# KiCad board ImogenWren.kicad_pcb
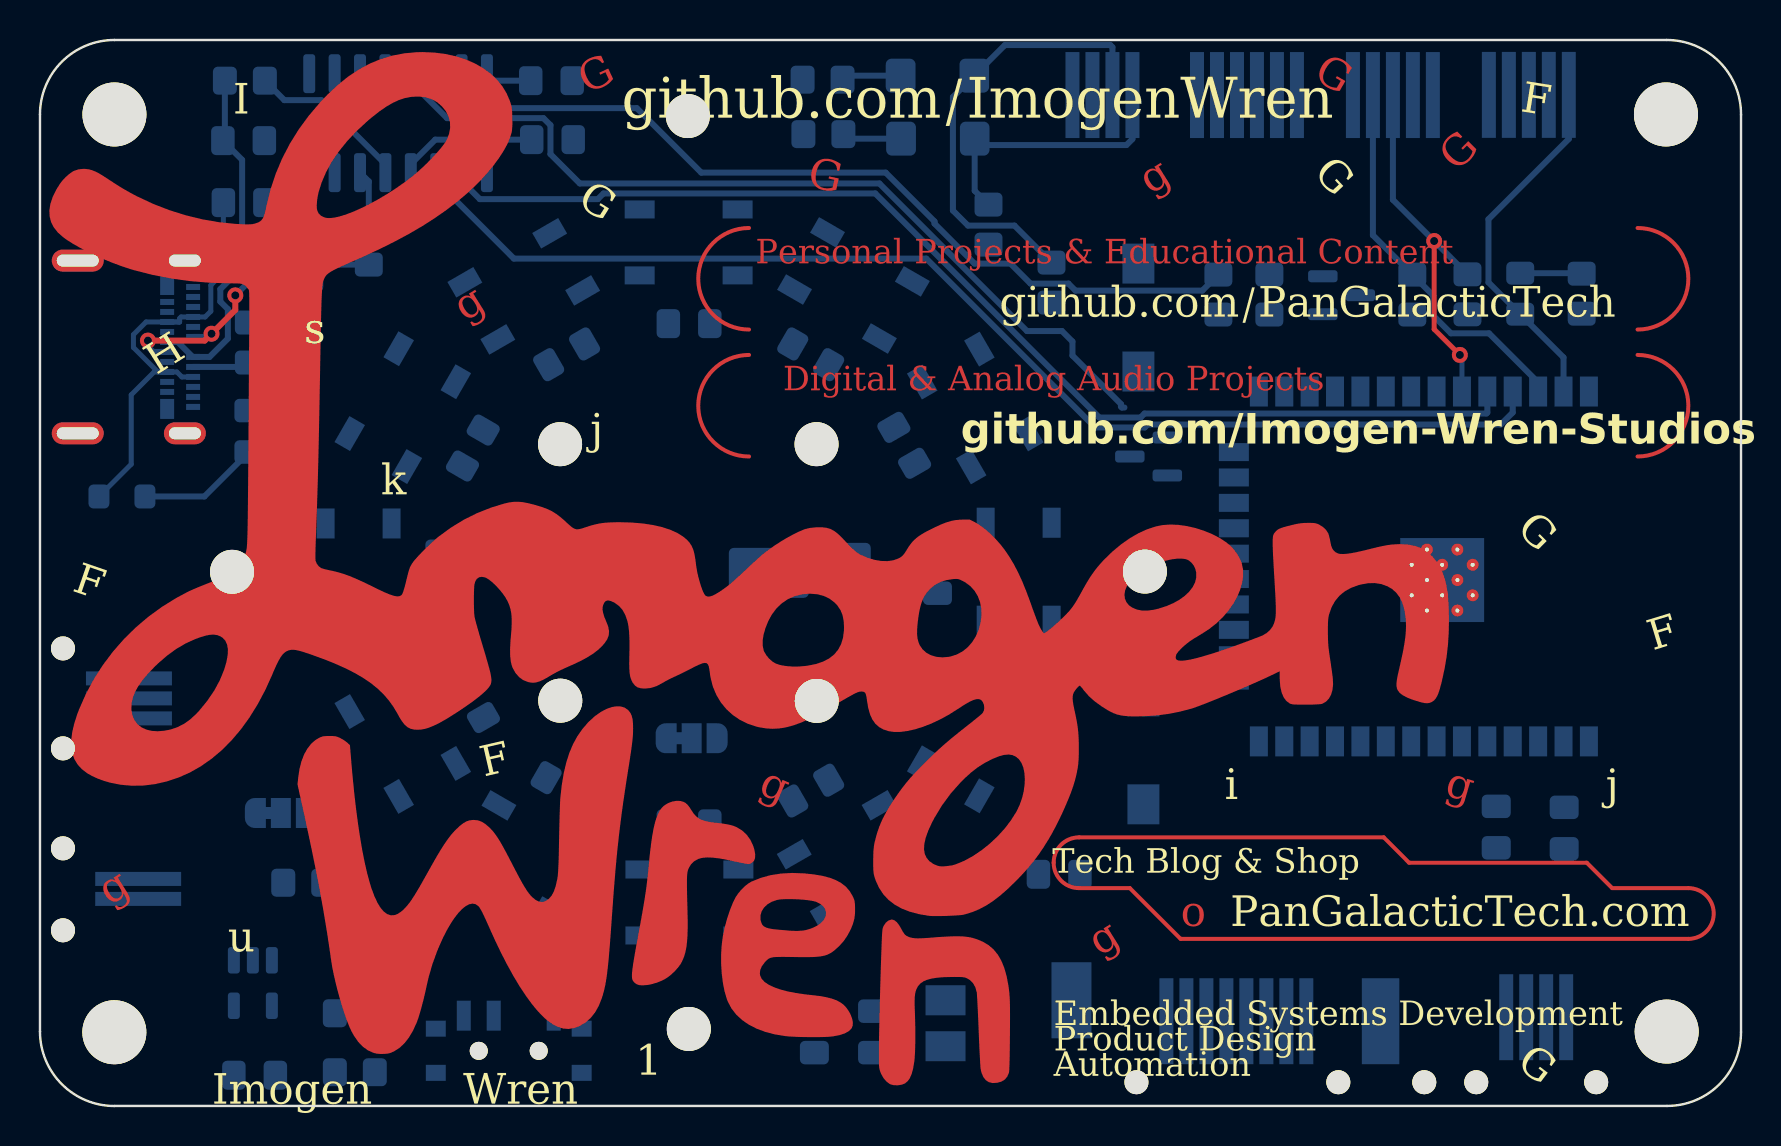
[diagram p0: board, top side]
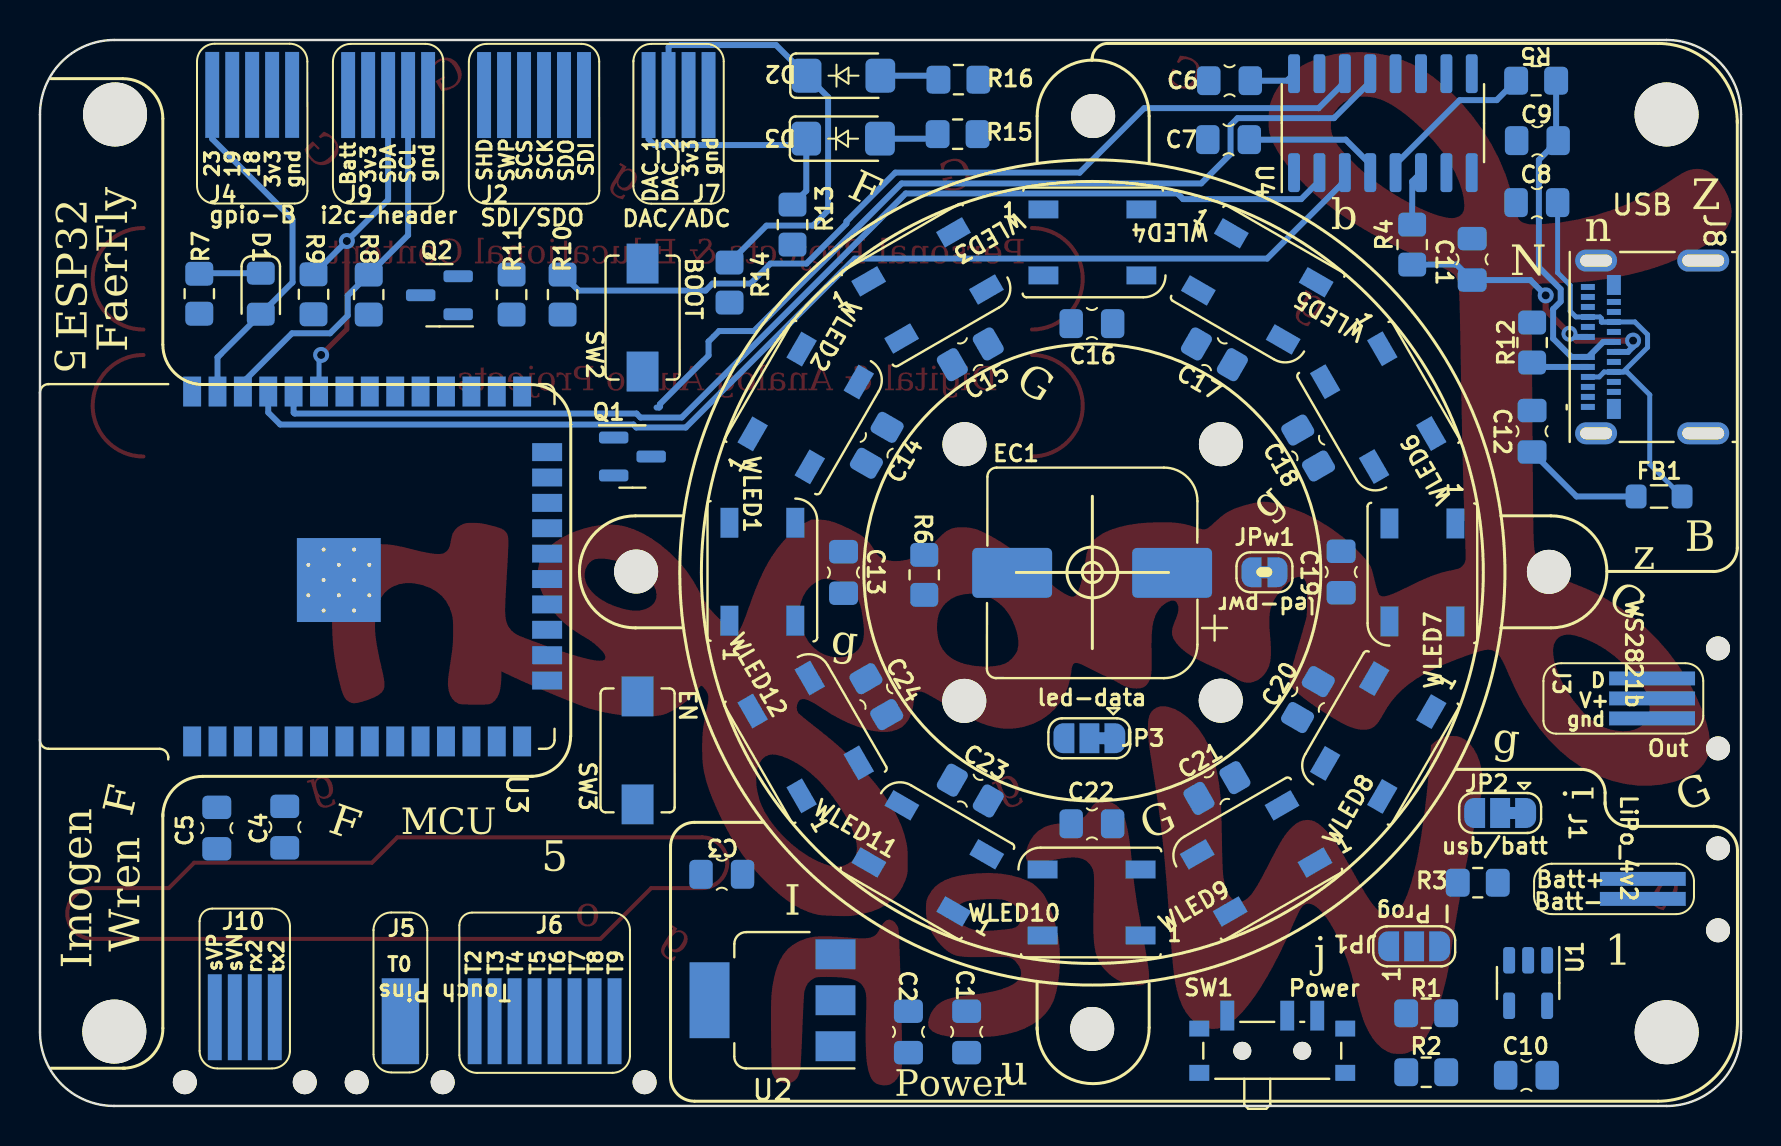
[diagram p1: board, bottom side, seen from below]

Outline 85.09 x 53.32 mm; copper layers: Top, Bottom. Coordinates in mm from the lower left corner of the outline.
Stack: Top 0.035mm / dielectric 1.51mm FR4 er 4.5 / Bottom 0.035mm

## Placement (name value [footprint] x y rotation side)
C1  100n  [C_0805_2012_HandSolder_kawaii]  38.74 3.71 270 bottom
C2  100n  [C_0805_2012_HandSolder_kawaii]  41.65 3.71 270 bottom
C3  100n  [C_0805_2012_HandSolder_kawaii]  50.99 11.59 180 bottom
C4  100n  [C_0805_2012_HandSolder_kawaii]  72.85 13.95 270 bottom
C5  100n  [C_0805_2012_HandSolder_kawaii]  76.25 13.9 270 bottom
C6  100n  [C_0805_2012_HandSolder_kawaii]  25.59 51.29 0 bottom
C7  100n  [C_0805_2012_HandSolder_kawaii]  25.64 48.34 0 bottom
C8  10n  [C_0805_2012_HandSolder_kawaii]  10.21 45.19 0 bottom
C9  47p  [C_0805_2012_HandSolder_kawaii]  10.19 48.29 0 bottom
C10  100n  [C_0805_2012_HandSolder_kawaii]  10.74 1.54 0 bottom
C11  47p  [C_0805_2012_HandSolder_kawaii]  13.45 42.35 90 bottom
C12  4n7  [C_0805_2012_HandSolder_kawaii]  10.45 33.75 90 bottom
C13  100n  [C_0805_2012_HandSolder_kawaii]  44.9 26.69 90 bottom
C14  100n  [C_0805_2012_HandSolder_kawaii]  43.23 33.05 120 bottom
C15  100n  [C_0805_2012_HandSolder_kawaii]  38.56 37.6 150 bottom
C16  100n  [C_0805_2012_HandSolder_kawaii]  32.47 39.14 180 bottom
C17  100n  [C_0805_2012_HandSolder_kawaii]  26.34 37.6 210 bottom
C18  100n  [C_0805_2012_HandSolder_kawaii]  21.66 32.91 240 bottom
C19  100n  [C_0805_2012_HandSolder_kawaii]  20 26.71 270 bottom
C20  100n  [C_0805_2012_HandSolder_kawaii]  21.67 20.33 300 bottom
C21  100n  [C_0805_2012_HandSolder_kawaii]  26.22 15.91 330 bottom
C22  100n  [C_0805_2012_HandSolder_kawaii]  32.47 14.12 0 bottom
C23  100n  [C_0805_2012_HandSolder_kawaii]  38.56 15.78 30 bottom
C24  100n  [C_0805_2012_HandSolder_kawaii]  43.26 20.48 60 bottom
D1  Blue  [LED_0805_2012_Kawaii]  74.05 40.63 270 bottom
D2  BZV55B3V3  [D_MiniMELF_kawaii]  44.9 51.54 180 bottom
D3  BZV55B3V3  [D_MiniMELF_kawaii]  44.92 48.39 180 bottom
EC1  1000u  [CP_Elec_10x10_kawaii]  32.46 26.67 0 bottom
FB1  FerriteBead  [L_0805_2012Metric_Pad1.05x1.20mm_HandSolder]  4.1 30.49 0 bottom
G***  LOGO  [8-bit-heart-2]  126.43 72.16 0 top
G***#2  LOGO  [cat-one-cu]  -37.92 38.35 0 top
G***#3  LOGO  [ImogenWren70_Cu]  35.47 26.14 0 top
J1  LiPo_4v2  [2-pin-edge]  4.37 11.38 90 bottom
J2  SDI/SDO  [6-pin-edge-touch]  59.87 50.04 0 bottom
J3  WS2821b  [3-pin-edge]  5.92 20.24 90 bottom
J4  gpio-B  [5-pin-edge-touch]  75.4 50.13 0 bottom
J5  touch0  [1-pin-edge-touch-xl]  67.65 4.24 180 bottom
J6  Touch Pins  [8-pin-edge-touch]  63.35 4.24 180 bottom
J7  DAC/ADC  [4-pin-edge]  53.65 49.89 0 bottom
J8  USB_C_Receptacle  [USB_C_Receptacle_Molex_105450-0101]  4.45 37.97 90 bottom
J9  i2c-header  [5-pin-edge-touch]  68.6 50.12 0 bottom
J10  ESPpin1-4  [4-pin-edge]  74.35 5.12 180 bottom
JP1  I Prog  [SolderJumper-3_P1.3mm_Open_RoundedPad1.0x1.5mm_NumberLabels]  16.35 7.99 180 bottom
JP2  usb/batt  [SolderJumper-3_P1.3mm_Bridged12_RoundedPad1.0x1.5mm]  12.05 14.66 0 bottom
JP3  led-data  [SolderJumper-3_P1.3mm_Bridged12_RoundedPad1.0x1.5mm]  32.6 18.4 0 bottom
JPw1  led-pwr  [SolderJumper-2_P1.3mm_Bridged_RoundedPad1.0x1.5mm]  23.84 26.7 180 bottom
Q1  BC817  [SOT-23]  55.46 32.49 180 bottom
Q2  BC817  [SOT-23]  65.11 40.56 0 bottom
R1  10k  [R_0805_2012Metric_Pad1.20x1.40mm_HandSolder]  15.75 4.64 0 bottom
R2  10k  [R_0805_2012Metric_Pad1.20x1.40mm_HandSolder]  15.75 1.69 0 bottom
R3  4k7  [R_0805_2012Metric_Pad1.20x1.40mm_HandSolder]  13.17 11.17 0 bottom
R4  27r  [R_0805_2012Metric_Pad1.20x1.40mm_HandSolder]  16.45 43.09 270 bottom
R5  27r  [R_0805_2012Metric_Pad1.20x1.40mm_HandSolder]  10.25 51.29 180 bottom
R6  470r  [R_0805_2012Metric_Pad1.20x1.40mm_HandSolder]  40.86 26.57 90 bottom
R7  330r  [R_0805_2012Metric_Pad1.20x1.40mm_HandSolder]  77.13 40.63 270 bottom
R8  10k  [R_0805_2012Metric_Pad1.20x1.40mm_HandSolder]  68.65 40.59 90 bottom
R9  10k  [R_0805_2012Metric_Pad1.20x1.40mm_HandSolder]  71.41 40.6 90 bottom
R10  10k  [R_0805_2012Metric_Pad1.20x1.40mm_HandSolder]  58.95 40.59 270 bottom
R11  10k  [R_0805_2012Metric_Pad1.20x1.40mm_HandSolder]  61.5 40.59 270 bottom
R12  5k2  [R_0805_2012Metric_Pad1.20x1.40mm_HandSolder]  10.45 38.19 270 bottom
R13  220r  [R_0805_2012Metric_Pad1.20x1.40mm_HandSolder]  47.45 44.09 270 bottom
R14  220r  [R_0805_2012Metric_Pad1.20x1.40mm_HandSolder]  50.6 41.19 270 bottom
R15  100r  [R_0805_2012Metric_Pad1.20x1.40mm_HandSolder]  39.19 48.61 0 bottom
R16  100r  [R_0805_2012Metric_Pad1.20x1.40mm_HandSolder]  39.15 51.34 0 bottom
REF**  -  [MountingHole_2.1mm_1]  1.15 12.89 0 top
REF**#2  -  [MountingHole_2.1mm_1]  69.25 1.19 0 top
REF**#3  -  [MountingHole_2.1mm_1]  64.95 1.19 0 top
REF**#4  -  [MountingHole_2.1mm_1]  1.15 17.89 0 top
REF**#5  -  [MountingHole_2.2mm_M2]  55.27 26.74 0 top
REF**#6  -  [MountingHole_2.1mm_1]  77.85 1.19 0 top
REF**#7  -  [MountingHole_2.1mm_1]  1.15 8.79 0 top
REF**#8  -  [cu_heart]  59.6 46.46 0 top
REF**#9  -  [MountingHole_2.2mm_M2]  32.46 3.85 0 top
REF**#10  -  [MountingHole_2.2mm_M2]  9.61 26.72 0 top
REF**#11  -  [MountingHole_2.2mm_M2]  32.41 49.52 0 top
REF**#12  -  [MountingHole_2.1mm_1]  1.15 22.89 0 top
REF**#13  -  [CreditCard_M3]  40.65 27.29 0 top
REF**#14  -  [MountingHole_2.2mm_M2]  38.86 20.27 0 top
REF**#15  -  [MountingHole_2.2mm_M2]  38.85 33.11 0 top
REF**#16  -  [MountingHole_2.2mm_M2]  26.02 33.11 0 top
REF**#17  -  [MountingHole_2.2mm_M2]  26.03 20.28 0 top
REF**#18  -  [MountingHole_2.1mm_1]  54.85 1.19 0 top
REF**#19  -  [MountingHole_2.1mm_1]  71.85 1.19 0 top
SW1  SW_SPDT_small  [SW_SPDT_PCM12]  23.45 3.09 180 bottom
SW2  BOOT  [SW_SPST_EVQPE1]  54.95 39.44 90 bottom
SW3  EN  [SW_SPST_EVQPE1]  55.2 17.79 90 bottom
U1  MCP73831-2-OT  [SOT-23-5]  10.65 6.15 270 bottom
U2  AMS1117-3.3  [SOT-223-3_TabPin2_1]  48.45 5.29 0 bottom
U3  ESP32-WROOM-32  [ESP32-WROOM-32_KAWAII]  69.24 26.99 90 bottom
U4  CH340C  [SOIC-16_3.9x9.9mm_P1.27mm]  17.92 49.16 90 bottom
WLED1  WS2812B  [LED_WS2812B_PLCC4_5.0x5.0mm_P3.2mm]  48.96 26.73 90 bottom
WLED2  WS2812B  [LED_WS2812B_PLCC4_5.0x5.0mm_P3.2mm]  46.79 34.92 120 bottom
WLED3  WS2812B  [LED_WS2812B_PLCC4_5.0x5.0mm_P3.2mm]  40.69 41.05 150 bottom
WLED4  WS2812B  [LED_WS2812B_PLCC4_5.0x5.0mm_P3.2mm]  32.45 43.2 180 bottom
WLED5  WS2812B  [LED_WS2812B_PLCC4_5.0x5.0mm_P3.2mm]  24.2 41 210 bottom
WLED6  WS2812B  [LED_WS2812B_PLCC4_5.0x5.0mm_P3.2mm]  18.15 34.93 240 bottom
WLED7  WS2812B  [LED_WS2812B_PLCC4_5.0x5.0mm_P3.2mm]  15.94 26.69 270 bottom
WLED8  WS2812B  [LED_WS2812B_PLCC4_5.0x5.0mm_P3.2mm]  18.15 18.43 300 bottom
WLED9  WS2812B  [LED_WS2812B_PLCC4_5.0x5.0mm_P3.2mm]  24.26 12.38 330 bottom
WLED10  WS2812B  [LED_WS2812B_PLCC4_5.0x5.0mm_P3.2mm]  32.49 10.18 0 bottom
WLED11  WS2812B  [LED_WS2812B_PLCC4_5.0x5.0mm_P3.2mm]  40.68 12.39 30 bottom
WLED12  WS2812B  [LED_WS2812B_PLCC4_5.0x5.0mm_P3.2mm]  46.79 18.46 60 bottom

## Library data of the parts
C1-C24 = -: Description: Unpolarized capacitor
D1 = -: Description: Light emitting diode
D2 D3 = -: Description: 3.3V, 500mW, 2%, Zener diode, MiniMELF
EC1 = -: Description: Polarized capacitor
FB1 = -: Description: Ferrite bead
J1 = -: Description: PCI Express bus connector x1; PIN1: Batt-; PIN2: Batt+; Field6: PCB Thickness 1.57 mm
J2 = -: Description: PCI Express bus connector x1; PIN1: SDI; PIN2: SDO; PIN3: SCK; PIN4: SCS; PIN5: SWP; PIN6: SHD; Field10: PCB Thickness 1.57 mm
J3 = -: Description: PCI Express bus connector x1; PIN1: gnd; PIN2: V+; PIN3: D; Field7: PCB Thickness 1.57 mm
J4 = -: Description: PCI Express bus connector x1; PIN1: gnd; PIN2: 3v3; PIN3: 18; PIN4: 19; PIN5: 23; Field9: PCB Thickness 1.57 mm
J5 = -: Description: PCI Express bus connector x1; PIN1: T0; Field5: PCB Thickness 1.57 mm
J6 = -: Description: PCI Express bus connector x1; PIN1: T2; PIN2: T3; PIN3: T4; PIN4: T5; PIN5: T6; PIN6: T7; PIN7: T8; PIN8: T9; Field12: PCB Thickness 1.57 mm
J7 = -: Description: PCI Express bus connector x1; PIN1: gnd; PIN2: 3v3; PIN3: DAC_2; PIN4: DAC_1; Field8: PCB Thickness 1.57 mm
J8 = -: Description: USB Full-Featured Type-C Receptacle connector
J9 = -: Description: PCI Express bus connector x1; PIN1: GND; PIN2: SCL; PIN3: SDA; PIN4: 3v3; PIN5: Batt; Field9: PCB Thickness 1.57 mm
J10 = -: Description: PCI Express bus connector x1; PIN1: sVP; PIN2: sVN; PIN3: rx2; PIN4: tx2; Field8: PCB Thickness 1.57 mm
JP1 = -: Description: Solder Jumper, 3-pole, open
JP2 JP3 = -: Description: Jumper, 3-pole, pins 1+2 closed/bridged
JPw1 = -: Description: Jumper, 2-pole, open
Q1 Q2 = -: Description: 0.8A Ic, 45V Vce, NPN Transistor, SOT-23
R1-R16 = -: Description: Resistor
SW1 = -: Description: Switch, single pole double throw; NAME: Power
SW2 SW3 = -: Description: MEC 5E single pole normally-open tactile switch
U1 = -: Description: Single cell, Li-Ion/Li-Po charge management controller, 4.20V, Tri-State Status Output, in SOT23-5 package
U2 = -: Description: 1A Low Dropout regulator, positive, 3.3V fixed output, SOT-223
U3 = -: Description: RF Module, ESP32-D0WDQ6 SoC, Wi-Fi 802.11b/g/n, Bluetooth, BLE, 32-bit, 2.7-3.6V, onboard antenna, SMD
U4 = -: Description: USB serial converter, UART, SOIC-16
WLED1-WLED12 = -: Description: RGB LED with integrated controller

## Footprints (pads in the part's own frame, mm; a bottom-side part is the same pattern mirrored in y, then rotated)
1-pin-edge-touch-xl
  rect 1.874x4.3 smd: A1(0.587,0)
2-pin-edge
  rect 0.7x4.3 smd: A1(-1.02,0.54) A2(-0.02,0.54)
3-pin-edge
  rect 0.7x4.3 smd: A1(-0.85,-1.47) A2(0.15,-1.47) A3(1.15,-1.47)
4-pin-edge
  rect 0.7x4.3 smd: A1(-2,-0.68) A2(-1,-0.68) A3(0,-0.68) A4(1,-0.68)
5-pin-edge-touch
  rect 0.7x4.3 smd: A1(-2.92,-0.45) A2(-1.92,-0.45) A3(-0.92,-0.45) A4(0.08,-0.45) A5(1.08,-0.45)
6-pin-edge-touch
  rect 0.7x4.3 smd: A1(-1.988,-0.53) A2(-0.988,-0.53) A3(0.012,-0.53) A4(1.012,-0.53) A5(2.012,-0.53) A6(3.012,-0.53)
8-pin-edge-touch
  rect 0.7x4.3 smd: A1(0,0) A2(1,0) A3(2,0) A4(3,0) A5(4,0) A6(5,0) A7(6,0) A8(7,0)
C_0805_2012_HandSolder_kawaii
  rrect 1.175x1.45 smd: 1(-1.038,0) 2(1.038,0)
CP_Elec_10x10_kawaii
  rrect 4x2.5 smd: 1(-4,0) 2(4,0)
CreditCard_M3
  round 3.2 hole 3.2 unplated: (-36.93,-23.6) (-36.925,22.31) (40.69,22.31) (40.726,-23.566)
D_MiniMELF_kawaii
  rrect 1.48x1.7 smd: 1(-1.84,0)
  rrect 1.49x1.7 smd: 2(1.845,0)
ESP32-WROOM-32_KAWAII
  rect 1.5x0.9 smd: 1(-8.75,8.25) 2(-8.75,6.98) 3(-8.75,5.71) 4(-8.75,4.44) 5(-8.75,3.17) 6(-8.75,1.9) 7(-8.75,0.63) 8(-8.75,-0.64) 9(-8.75,-1.91) 10(-8.75,-3.18) 11(-8.75,-4.45) 12(-8.75,-5.72) 13(-8.75,-6.99) 14(-8.75,-8.26) 25(8.75,-8.26) 26(8.75,-6.99) 27(8.75,-5.72) 28(8.75,-4.45) 29(8.75,-3.18) 30(8.75,-1.91) 31(8.75,-0.64) 32(8.75,0.63) 33(8.75,1.9) 34(8.75,3.17) 35(8.75,4.44) 36(8.75,5.71) 37(8.75,6.98) 38(8.75,8.25)
  rect 0.9x1.5 smd: 15(-5.71,-9.51) 16(-4.44,-9.51) 17(-3.17,-9.51) 18(-1.9,-9.51) 19(-0.63,-9.51) 20(0.64,-9.51) 21(1.91,-9.51) 22(3.18,-9.51) 23(4.45,-9.51) 24(5.72,-9.51)
  rect 1.05x1.05 smd: 39(-2.205,-0.615) 39(-2.205,0.91) 39(-2.205,2.435) 39(-0.68,-0.615) 39(-0.68,0.91) 39(-0.68,2.435) 39(0.845,-0.615) 39(0.845,0.91) 39(0.845,2.435)
  round 0.6 hole 0.2: 39(-2.205,0.147) 39(-2.205,1.673) 39(-1.442,-0.615) 39(-1.442,0.91) 39(-1.442,2.435) 39(-0.68,0.147) 39(-0.68,1.673) 39(0.083,-0.615) 39(0.083,0.91) 39(0.083,2.435) 39(0.845,0.147) 39(0.845,1.673)
  rect 4.2x4.2 smd: 39(-0.68,0.91)
L_0805_2012Metric_Pad1.05x1.20mm_HandSolder
  rrect 1.05x1.2 smd: 1(-1.15,0) 2(1.15,0)
LED_0805_2012_Kawaii
  rrect 1.15x1.4 smd: 1(-1.025,0) 2(1.025,0)
LED_WS2812B_PLCC4_5.0x5.0mm_P3.2mm
  rect 1.5x0.9 smd: 1(-2.45,1.65) 2(-2.45,-1.65) 3(2.45,-1.65) 4(2.45,1.65)
MountingHole_2.1mm_1
  round 1.2 hole 1.2 unplated: (0,0)
MountingHole_2.2mm_M2
  round 2.2 hole 2.2 unplated: (0,0)
R_0805_2012Metric_Pad1.20x1.40mm_HandSolder
  rrect 1.2x1.4 smd: 1(-1,0) 2(1,0)
SOIC-16_3.9x9.9mm_P1.27mm
  rrect 1.95x0.6 smd: 1(-2.475,4.445) 2(-2.475,3.175) 3(-2.475,1.905) 4(-2.475,0.635) 5(-2.475,-0.635) 6(-2.475,-1.905) 7(-2.475,-3.175) 8(-2.475,-4.445) 9(2.475,-4.445) 10(2.475,-3.175) 11(2.475,-1.905) 12(2.475,-0.635) 13(2.475,0.635) 14(2.475,1.905) 15(2.475,3.175) 16(2.475,4.445)
SolderJumper-2_P1.3mm_Bridged_RoundedPad1.0x1.5mm
  custom 1x1.5 smd: 1(-0.65,0) 2(0.65,0)
SolderJumper-3_P1.3mm_Bridged12_RoundedPad1.0x1.5mm
  custom 1.05x1.5 smd: 1(-1.3,0) 3(1.3,0)
  rect 1x1.5 smd: 2(0,0)
SolderJumper-3_P1.3mm_Open_RoundedPad1.0x1.5mm_NumberLabels
  custom 1.05x1.5 smd: 1(-1.3,0) 3(1.3,0)
  rect 1x1.5 smd: 2(0,0)
SOT-23
  rrect 1.475x0.6 smd: 1(-0.938,0.95) 2(-0.938,-0.95) 3(0.938,0)
SOT-23-5
  rrect 1.325x0.6 smd: 1(-1.137,0.95) 2(-1.137,0) 3(-1.137,-0.95) 4(1.137,-0.95) 5(1.137,0.95)
SOT-223-3_TabPin2_1
  rect 2x1.5 smd: 1(-3.15,2.3) 2(-3.15,0) 3(-3.15,-2.3)
  rect 2x3.8 smd: 2(3.15,0)
SW_SPDT_PCM12
  rect 1x0.8 smd: (-3.65,-1.43) (-3.65,0.78) (3.65,-1.43) (3.65,0.78)
  round 0.9 hole 0.9 unplated: (-1.5,-0.33) (1.5,-0.33)
  rect 0.7x1.5 smd: 1(-2.25,1.43) 2(0.75,1.43) 3(2.25,1.43)
SW_SPST_EVQPE1
  rect 2x1.6 smd: 1(-2.7,0) 2(2.7,0)
USB_C_Receptacle_Molex_105450-0101
  rect 0.3x0.7 smd: A1(-3,3.215) A2(-2.5,3.215) A3(-2,3.215) A4(-1.5,3.215) A5(-1,3.215) A6(-0.5,3.215) A7(0.5,3.215) A8(1,3.215) A9(1.5,3.215) A10(2,3.215) A11(2.5,3.215) A12(3,3.215) B2(2.25,1.915) B3(1.75,1.915) B4(1.25,1.915) B5(0.75,1.915) B6(0.25,1.915) B7(-0.25,1.915) B8(-0.75,1.915) B9(-1.25,1.915) B10(-1.75,1.915) B11(-2.25,1.915)
  rect 1x0.7 smd: B1(3.1,1.915) B12(-3.1,1.915)
  oval 1.1x2.6 hole 0.6x2.1: S1(-4.32,-2.555) S1(4.32,-2.555)
  oval 1.1x2.1 hole 0.6x1.6: S1(-4.32,2.805) S1(4.32,2.805)

## Nets
/ESP32/3V3_BUS: C3.1 C5.1 J4.A2 J7.A2 J9.A4 R8.1 R9.1 U2.2 U3.2
/WS2812b LEDs/5V_IN: C13.1 C14.1 C15.1 C16.1 C17.1 C18.1 C19.1 C20.1 C21.1 C22.1 C23.1 C24.1 JPw1.2 WLED1.1 WLED2.1 WLED3.1 WLED4.1 WLED5.1 WLED6.1 WLED7.1 WLED8.1 WLED9.1 WLED10.1 WLED11.1 WLED12.1
GND: C1.2 C2.2 C3.2 C4.2 C5.2 C6.2 C7.2 C8.2 C9.2 C10.2 C11.2 C12.2 C13.2 C14.2 C15.2 C16.2 C17.2 C18.2 C19.2 C20.2 C21.2 C22.2 C23.2 C24.2 EC1.2 J1.A1 J3.A1 J4.A1 J7.A1 J8.A1 J8.A12 J8.B1 J8.B12 J8.S1 J9.A1 JP1.2 R1.2 R7.2 R12.1 R15.1 R16.1 SW2.2 SW3.2 U1.2 U2.1 U3.1 U3.15 U3.38 U3.39 U4.1 WLED1.3 WLED2.3 WLED3.3 WLED4.3 WLED5.3 WLED6.3 WLED7.3 WLED8.3 WLED9.3 WLED10.3 WLED11.3 WLED12.3
18: J4.A3 U3.30
19: J4.A4 U3.31
23: D1.2 J4.A5 U3.37
/BATTERY_POWER: JP2.1 SW1.1 U1.3
/BATTERY_POWER_BUS: C1.1 C2.1 EC1.1 J3.A2 J9.A5 JP2.2 JPw1.1 U2.3
/CHARGE_INHIBIT: R1.1 R2.1 R3.1 U1.5
/CHARGE_STATUS: U1.1
/ESP32/CHARGE_INHIBIT: U3.7
/ESP32/D+: R5.1 U4.5
/ESP32/D-: R4.1 U4.6
/ESP32/LED_DATA_OUT: R6.2 U3.29
/ESP32/MCU_5V_BUS: C6.1 U4.16
/ESP32/SSERIAL_RX: J10.A3 U3.28
/ESP32/SSERIAL_TX: J10.A4 U3.27
/ESP32/USB ESP32 CH340 Interface /ESP_EN: C4.1 Q2.3 SW3.1 U3.3
/ESP32/USB ESP32 CH340 Interface /ESP_IO0: Q1.3 SW2.1 U3.25
/ESP32/USB ESP32 CH340 Interface /RxD_B: U3.35 U4.3
/ESP32/USB ESP32 CH340 Interface /TxD_B: U3.34 U4.2
/USB/D+: C9.1 J8.A6 J8.B6 R5.2
/USB/D-: C11.1 J8.A7 J8.B7 R4.2
/USB_POWER: C10.1 C12.1 FB1.2 JP2.3 U1.4
/WS2812b LEDs/DATA_IN: JP3.1 R6.1 WLED1.4
/WS2812b LEDs/DATA_OUT: JP3.3 WLED12.2
SCL: J9.A2 R8.2 U3.36
SDA: J9.A3 R9.2 U3.33
Net-(C8-Pad1): C8.1 FB1.1 J8.A4 J8.A9 J8.B4 J8.B9
Net-(D1-K): D1.1 R7.1
Net-(D2-A): D2.2 R16.2
Net-(D2-K): D2.1 J7.A3 R14.1
Net-(D3-A): D3.2 R15.2
Net-(D3-K): D3.1 J7.A4 R13.1
Net-(J8-CC1): J8.A5 R12.2
Net-(JP1-A): JP1.1 R2.2
Net-(JP1-B): JP1.3 R3.2
Net-(JP3-C): J3.A3 JP3.2
Net-(Q1-B): Q1.1 R10.2
Net-(Q1-E): Q1.2 R11.1 U4.13
Net-(Q2-B): Q2.1 R11.2
Net-(Q2-E): Q2.2 R10.1 U4.14
Net-(SW1-B): J1.A2 SW1.2
Net-(U3-GPIO2(T2)): J6.A1 U3.24
Net-(U3-GPIO4(T0)): J5.A1 U3.26
Net-(U3-GPIO12(T5)): J6.A4 U3.14
Net-(U3-GPIO13(T4)): J6.A3 U3.16
Net-(U3-GPIO14(T6)): J6.A5 U3.13
Net-(U3-GPIO15(T3)): J6.A2 U3.23
Net-(U3-GPIO25(DAC_1)): R13.2 U3.10
Net-(U3-GPIO26(DAC_2)): R14.2 U3.11
Net-(U3-GPIO27(T7)): J6.A6 U3.12
Net-(U3-GPIO32(T9)): J6.A8 U3.8
Net-(U3-GPIO33(T8)): J6.A7 U3.9
Net-(U3-SCK/CLK): J2.A3 U3.20
Net-(U3-SCS/CMD): J2.A4 U3.19
Net-(U3-SDI/SD1): J2.A1 U3.22
Net-(U3-SDO/SD0): J2.A2 U3.21
Net-(U3-SENSOR_VN): J10.A2 U3.5
Net-(U3-SENSOR_VP): J10.A1 U3.4
Net-(U3-SHD/SD2): J2.A6 U3.17
Net-(U3-SWP/SD3): J2.A5 U3.18
Net-(U4-V3): C7.1 U4.4
Net-(WLED1-DOUT): WLED1.2 WLED2.4
Net-(WLED2-DOUT): WLED2.2 WLED3.4
Net-(WLED3-DOUT): WLED3.2 WLED4.4
Net-(WLED4-DOUT): WLED4.2 WLED5.4
Net-(WLED5-DOUT): WLED5.2 WLED6.4
Net-(WLED6-DOUT): WLED6.2 WLED7.4
Net-(WLED7-DOUT): WLED7.2 WLED8.4
Net-(WLED8-DOUT): WLED8.2 WLED9.4
Net-(WLED10-DIN): WLED9.2 WLED10.4
Net-(WLED10-DOUT): WLED10.2 WLED11.4
Net-(WLED11-DOUT): WLED11.2 WLED12.4

Pads without a net: J8 A2 A3 A8 A10 A11 B2 B3 B5 B8 B10 B11; SW1 3; U3 6 32; U4 7 8 9 10 11 12 15

## Via types
v1: diameter 0.8, hole 0.4, Top to Bottom, 5 vias

## Routing (per net, layer and track width the routed paths; a pad name or vN(x,y) marks a point on that pad's centre or on a via; arc(x,y) is an arc through that point)
23: length 18.1
  Bottom w0.3: J4.A5 76.48,48.38 72.46,44.36 72.46,41.2 D1.2 76.22,37.44 U3.37
/ESP32/D+: length 8.2
  Bottom w0.3: R5.1 12.23,50.31 14.08,50.31 17.28,47.11 U4.5
/ESP32/D-: length 2.8
  Bottom w0.3: U4.6 16.45,46.25 R4.1
/ESP32/MCU_5V_BUS: length 2.3
  Bottom w0.3: C6.1 22.71,51.29 U4.16
/ESP32/USB ESP32 CH340 Interface /RxD_B: length 60.7
  Bottom w0.3: U3.35 73.68,34.69 73.08,34.09 55.41,34.09 55.26,33.94 52.79,33.94 44.34,42.39 23.71,42.39 19.82,46.28 U4.3
/ESP32/USB ESP32 CH340 Interface /TxD_B: length 58
  Bottom w0.3: U4.2 21.09,46.28 22,45.36 27.91,45.36 28.19,45.65 41.78,45.65 52.99,34.44 55.06,34.44 55.26,34.64 72.36,34.64 72.41,34.69 U3.34
/USB/D+: length 17.7
  Bottom w0.3: J8.B6 6.89,38.22 7.64,37.47 J8.A6 8.48,37.47 9.4,38.39 9.4,39.86 9.02,40.24 9.02,40.86 10.11,41.95 10.11,47.33 C9.1 9.25,48.39 R5.2
/USB/D-: length 15.4
  Top w0.3: v1(5.4,38.29) 8.24,38.29 v1(8.58,38.63) 9.77,39.82 v1(9.77,40.55)
  Bottom w0.3: J8.B7 5.66,37.72 5.4,37.98 v1(5.4,38.29) ; R4.2 14.23,42.09 13.45,41.31 10.54,41.31 v1(9.77,40.55) ; J8.A7 8.42,38.47 v1(8.58,38.63)
/USB_POWER: length 6.1
  Bottom w0.3: FB1.2 8.23,30.49 C12.1
SCL: length 19.4
  Bottom w0.3: U3.36 74.95,36.19 72.49,38.65 70.58,38.65 69.7,39.53 69.7,40.54 R8.2 66.68,43.56 J9.A2
SDA: length 18.6
  Top w0.25: v1(71.03,37.57) 69.74,38.86 v1(69.74,43.27)
  Bottom w0.25: U3.33 71.14,37.46 v1(71.03,37.57)
  Bottom w0.3: R9.2 v1(69.74,43.27) 67.68,45.33 J9.A3
Net-(C8-Pad1): length 23
  Bottom w0.25: J8.B4 5.31,39.22 4.68,38.59 4.68,37.94 5.9,36.72 J8.B9 ; J8.B4 6.98,39.22 6.99,39.22 6.99,39.39 7.06,39.47 J8.A9 8.26,39.47 8.55,39.76 8.55,41.06 9.18,41.69 C8.1 ; J8.B4 6.96,39.22 6.99,39.24 ; FB1.1 4.57,32.1 4.57,35.57 5.71,36.72 J8.B9 ; J8.B9 6.85,36.72 7.1,36.47 J8.A4
Net-(D1-K): length 3.1
  Bottom w0.3: R7.1 77.1,41.66 D1.1
Net-(D2-A): length 3
  Bottom w0.3: D2.2 40.35,51.54 R16.2
Net-(D2-K): length 23.2
  Bottom w0.3: R14.1 48.75,44.04 46.43,44.04 45.67,44.79 45.67,50.47 D2.1 48.27,53.07 53.55,53.07 53.65,52.96 J7.A3
Net-(D3-A): length 3
  Bottom w0.3: D3.2 40.42,48.39 R15.2
Net-(D3-K): length 13.9
  Bottom w0.3: J7.A4 54.65,48.37 54.35,48.07 47.08,48.07 D3.1 46.76,45.78 R13.1
Net-(J8-CC1): length 2.9
  Bottom w0.3: R12.2 10.23,36.97 J8.A5
Net-(Q1-E): length 44.2
  Bottom w0.3: U4.13 18.55,51.23 20.36,49.41 25.19,49.41 25.54,49.06 25.54,47.62 27.01,46.15 41.99,46.15 49.38,38.76 51.13,38.76 51.65,38.24 51.65,37.54 54.08,35.11 54.08,34.99 54.13,34.94 54.25,34.94
Net-(Q2-E): length 44.3
  Bottom w0.3: U4.14 19.82,51.23 21.13,49.91 29.86,49.91 33.08,46.69 42.31,46.69 44.75,44.25 44.75,44.14 46.75,42.14 48.55,42.14 49.55,41.14 51.45,41.14 51.8,40.79 58.15,40.79 R10.1
Net-(U4-V3): length 7
  Bottom w0.3: C7.1 19.78,48.34 18.55,47.11 U4.4

## Text on the board
B.Silkscreen: Out | USB | F | G | i | Z | B | z | 1 | n | N | b | j | u | abcdefghijklmnopqrstuvwxyz1234567890 | I | 5 | g | FaerFly | Wren | Imogen | ESP32 | Power | MCU
Top: o | G | g | Digital & Analog Audio Projects | Personal Projects & Educational Content
F.Mask: o | G | g | Digital & Analog Audio Projects | Personal Projects & Educational Content
F.Silkscreen: G | I | u | Imogen | s | k | Wren | j | 1 | i | F | H | PanGalacticTech.com | Embedded Systems Development | Product Design | Automation | Tech Blog & Shop | github.com/PanGalacticTech | github.com/Imogen-Wren-Studios | github.com/ImogenWren
